# Altium PCB PROC106B.PcbDoc (part 6 of 8)
Units mil, origin at the board's own origin, x right, y up, seen from the top; angles counter-clockwise.
Board outline 4498.18 x 1060.53 mil, 8 copper layers (Top Layer, GND1, Sig1, PWR1, PWR2, Sig2, GND2, Bottom Layer), stack 69.602 mil thick; 439 components, 327 nets, 1548 pads, 843 vias.
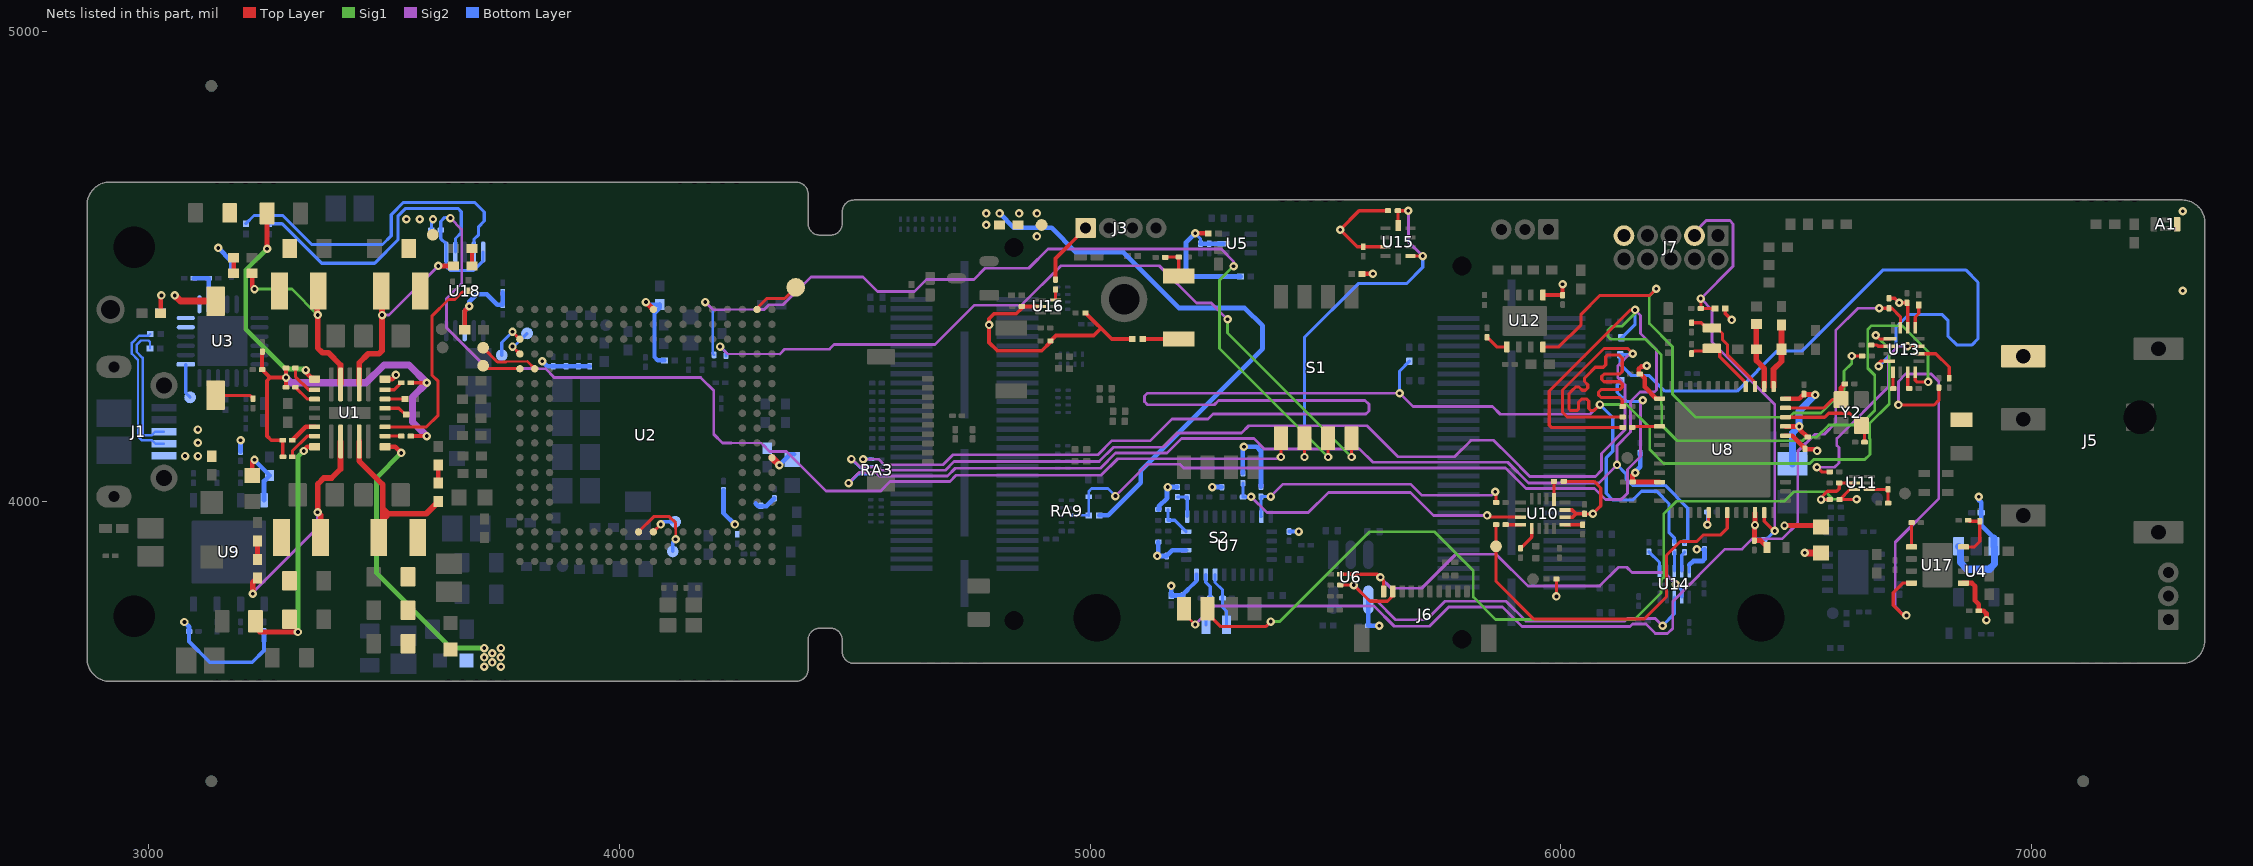
[diagram p12: the nets of this part, all layers, seen from the top]

## Via types
v1: diameter 18, hole 8, Top Layer to Bottom Layer, tented both sides, 804 vias
v2: diameter 19.68, hole 7.87, Top Layer to Bottom Layer, tented both sides, 34 vias
v3: diameter 20, hole 10, Top Layer to Bottom Layer, tented both sides, 3 vias
v4: diameter 18, hole 8, Top Layer to Bottom Layer, 1 vias
v5: diameter 17, hole 7.87, Top Layer to Bottom Layer, 1 vias

## Nets (pads, with @x,y where several pads share a name; then routed paths per layer and width w, separated by ;. In a path a pad name is that pad's centre, name@x,y a point inside that pad or via, vN(x,y) a via of type N, cw(c..) or ccw(c..) an arc to the next point about the centre after c; other vN are vias at no path point) (continued)
NetR101_1: R101.1 U10.13 | length 37.4
  Top Layer w8: U10.13@6008.8,3951.58 R101.1@6046.19,3951.58
NetR105_1: R105.1 R106.1 U11.1 | length 69.1
  Top Layer w6.7: U11.1@6655.07,4026.51 R106.1@6695.04,4026.51 R105.1@6695.04,3997.34
NetR111_1: R111.1 SW3.2 | length 77.2
  Top Layer w8: R111.1@5111.53,4345.88 SW3.2@5188.73,4345.88
NetR112_2: R112.2 U10.8 | length 31.9
  Top Layer w8: R112.2@5882.43,3951.7 5882.56,3951.58 U10.8@5914.31,3951.58
NetR113_2: R113.2 U10.9 | length 51.8
  Top Layer w6.7: R113.2@5914.31,3901.71 5937.93,3925.33 U10.9@5937.93,3943.7
NetR115_2: R115.2 R134.1 U17.8 | length 110.4
  Top Layer w6.7: U17.8@6854.9,3904.39 6878.17,3904.39 6889.78,3916 R134.1@6889.78,3961 ; R115.2@6864.81,3961 6866.81,3959 R134.1@6889.73,3959
NetR116_1: R116.1 U17.1 | length 51.7
  Top Layer w6.7: U17.1@6744.66,3904.39 6744.66,3955.88 R116.1@6744.78,3956
NetR120_1: R120.1 U17.4 | length 925.6
  Top Layer w6.7: v1(6716.81,4206) 6792.81,4206 6802.81,4216 R120.1@6802.81,4242.98 ; v1@6734.81,3758 v1(6733.81,3759) 6727.34,3759 6705.81,3780.52 6705.81,3807.03 6726.4,3827.61 U17.4@6744.66,3827.61
  Sig2 w5.95: v1(6716.81,4206) 6716.81,4256 6732.28,4271.47 6786.63,4271.47 6802.79,4255.32 6802.79,4006.91 6710.22,3914.35 6710.22,3777.92 6729.14,3759 v1(6733.81,3759)
NetR121_1: R121.1 U13.2 | length 39.5
  Top Layer w6.7: R121.1@6659.06,4333.23 6671.58,4333.23 6674.18,4330.63 U13.2@6697.44,4330.63
NetR123_1: R123.1 U12.1 | length 50.3
  Top Layer w6.7: R123.1@5843.14,4349.69 5863.49,4329.34 U12.1@5885.05,4329.34
NetR125_2: R125.2 R129.1 SW3.1 | length 69.8
  Top Layer w5.5: R129.1@5159.27,4519.45 R129.1@5159.85,4520.03 ; SW3.1@5188.33,4480.14 SW3.1@5188.73,4479.74
  Top Layer w6.7: R129.1@5159.85,4520.03 R125.2@5188.33,4520.03 SW3.1@5188.33,4480.14
NetR127_1: R127.1 U12.4 | length 1065
  Top Layer w6.7: U12.4@5961.82,4329.34 5995.51,4329.34 6042.85,4376.69 6042.85,4399.01 6082.33,4438.49 6188.48,4438.49 v1(6202.62,4452.64) ; v1(6617.81,4310) R127.1@6639.79,4310
  Sig1 w5.95: v1(6202.62,4452.64) 6187.81,4437.82 6187.81,4378.93 6237.06,4329.68 6237.06,4228.74 6285.98,4179.83 6485.43,4179.83 6494.43,4188.83 6552.42,4188.83 6601.34,4237.75 6601.34,4277.82 6617.81,4294.3 v1(6617.81,4310)
NetR128_1: R128.1 U13.5 | length 35
  Top Layer w5.5: U13.5@6705.32,4275.51 6705.32,4241.13 R128.1@6705.74,4240.71
NetR131_2: R131.2 U8.29 | length 53.8
  Top Layer w6.7: v1(6311.16,3951.46) 6313.85,3954.16 U8.29@6313.85,3977.25
  Bottom Layer w6.7: v1(6311.16,3951.46) R131.2@6311.16,3978.41
NetR136_1: R136.1 U13.7 | length 35.8
  Top Layer w6.7: U13.7@6736.81,4275.51 6736.81,4244 R136.1@6739.81,4241
NetR139_1: R139.1 U13.10 | length 102.2
  Top Layer w6.7: U13.10@6760.43,4314.88 6796.57,4314.88 6824.81,4286.64 R139.1@6824.81,4263 R139.1@6823.09,4264.72
NetR141_1: R141.1 U13.13 | length 51.3
  Top Layer w6.7: U13.13@6752.56,4370 6752.56,4392.75 6760.03,4400.22 R141.1@6760.03,4418.23
NetR160_1: R160.1 U14.10 | length 42.6
  Bottom Layer w6.7: U14.10@6256.79,3852.92 6256.79,3887.29 R160.1@6262.64,3893.14
NetR161_2: R161.2 U8.16 | length 59.1
  Top Layer w6.7: R161.2@6151.19,4158.46 6153.05,4160.32 U8.16@6209.52,4160.32
NetR166_1: R166.1 U14.9 | length 40.8
  Bottom Layer w6.7: R166.1@6240.62,3893.58 6241.04,3893.15 U14.9@6241.04,3852.92
NetR168_1: R168.1 U14.7 | length 50.9
  Bottom Layer w6.7: R168.1@6186.75,3894.37 6209.55,3871.58 U14.7@6209.55,3852.92
NetR176_1: R176.1 S3.1 | length 82.3
  Top Layer w6.7: S3.1@3142.31,4226.42 3214.75,4226.42 R176.1@3221.71,4219.46
NetR178_2: R178.2 U16.3 | length 22.1
  Top Layer w6.7: U16.3@4926.29,4429.06 R178.2@4926.29,4451.18
NetTP2_1: TP2.1 U2.C10 | length 160.9
  Top Layer w5: v1(4119.47,3920.65) 4119.47,3943.6
  Top Layer w6.7: U2.C10@4040.73,3936.4 4073.08,3968.75 4106.27,3968.75 4119.47,3955.55 4119.47,3943.6
  Bottom Layer w6.7: TP2.1@4113.44,3894.78 4113.44,3914.63 v1(4119.47,3920.65)
NetTP3_1: TP3.1 U2.C9 | length 55
  Top Layer w6.7: U2.C9@4072.23,3936.4 v1(4087.98,3952.15)
  Bottom Layer w6.7: v1(4087.98,3952.15) 4093.63,3957.8 TP3.1@4118.39,3957.8
NetTP6_1: TP6.1 U2.T18 | length 81.8
  Top Layer w6.7: v1(3773.02,4361.6) U2.T18@3788.76,4345.85
  Bottom Layer w6.7: TP6.1@3750.12,4311.58 3750.12,4338.7 v1(3773.02,4361.6)
NetTP7_1: TP7.1 U2.R18 | length 64.8
  Top Layer w6.7: v1(3773.02,4330.1) U2.R18@3788.76,4314.36
  Bottom Layer w6.7: v1(3773.02,4330.1) 3776.1,4330.1 TP7.1@3804,4358
NetTP8_1: TP8.1 U2.P17 | length 129.1
  Top Layer w5: 3759.24,4297.12 3760.35,4298.23 3804.89,4298.23
  Top Layer w6.7: TP8.1@3710.6,4327.53 3741.01,4297.12 3759.24,4297.12 ; 3804.89,4298.23 U2.P17@3820.26,4282.86
NetTP9_1: TP9.1 U2.P18 | length 81.4
  Top Layer w6.7: TP9.1@3710.6,4289.4 3716.29,4283.71 3788.76,4283.71 U2.P18@3788.76,4282.86
NetTP11_1: TP11.1 U2.V2 | length 102.4
  Top Layer w6.7: U2.V2@4291.28,4410.27 4313.18,4432.17 4351.05,4432.17 TP11.1@4374.76,4455.87
NetTP26_1: TP26.1 U3.1 | length 74
  Bottom Layer w6.7: U3.1@3078.98,4292.21 3078.98,4231.25 TP26.1@3088.22,4222.02
nRESET: C37.1 J7.3 R89.1 R91.1 U8.35 | length 976.9
  Top Layer w6.7: v1(6297.21,4431.94) C37.1@6297.21,4411.08 R89.1@6327.17,4411.08 ; U8.35@6431.96,3977.25 6431.96,3958.78 6452.3,3938.44 v1(6454.22,3938.44)
  Sig2 w5.95: J7.3@6283.84,4565.56 6283.84,4572.59 6308.82,4597.58 6358.86,4597.58 6365.86,4590.57 6365.86,4500.59 v1(6297.21,4431.94) 6321.18,4407.97 6321.18,4339.63 6454.22,4206.59 v1(6454.22,3938.44)
  Bottom Layer w6.7: R91.1@6432.17,3920.53 ccw(c6432.17,3930.54) 6439.24,3923.46 v1(6454.22,3938.44)
PGOOD: R31.2 R37.2 R155.2 RA9.7 | length 1608.1
  Sig2 w5.95: v1(5053.68,4012.45) 5121.06,4079.83 5191.42,4079.83 5198.95,4072.3 5882.26,4072.3 5926.17,4028.39 6071.12,4028.39 6094.51,4005.01 6128.26,4005.01 6141.61,4018.37 6141.61,4069.02 6169,4096.41 6169,4210.88 v1(6173.93,4215.81)
  Bottom Layer w5.95: RA9.7@4960.68,3971.89 4996.54,3971.89 R31.2@4997.02,3971.4 R37.2@4997.02,4011.07 4997.02,4022.43 5003.06,4028.46 5037.66,4028.46 v1(5053.68,4012.45)
  Bottom Layer w6.7: R155.2@6128.35,4257.57 6119.84,4249.06 6119.84,4232.32 6138.6,4213.55 6171.67,4213.55 v1(6173.93,4215.81)
PMIC_1V0: C46.2 C49.2 C54.2 L4.1 L12.1 L14.1 U1.1 | length 615.9
  Top Layer w10: U1.1@3502.28,4117.15 3523.82,4117.15 v1(3536.85,4104.13)
  Sig1 w10: v1(3536.85,4104.13) 3484.27,4051.55 3484.27,3848.75 3643.34,3689.68 v1@3717.17,3689.68
  other v1: 3712.91,3649.87 3748.46,3649.87 3730.24,3659.02 3712.91,3669.78 3748.46,3669.78 3730.24,3678.68 3712.91,3689.68 3748.46,3689.68
PMIC_1V2: C45.2 C77.2 L3.1 L13.1 U1.14 | length 457.1
  Top Layer w10: v1(3251.69,4537.83) L13.1@3251.69,4612.77 ; v1(3333.63,4280.07) 3335.17,4278.54 3335.17,4274.43 3345.86,4263.73 3349.8,4263.73 U1.14@3352.68,4260.85
  Sig1 w10: v1(3251.69,4537.83) 3206.5,4492.63 3206.5,4366.82 3290.78,4282.54 3331.16,4282.54 v1(3333.63,4280.07)
PMIC_1V8: C47.2 C48.2 L5.1 L11.1 U1.21 | length 522.1
  Top Layer w10: L11.1@3235.24,3746.61 3235.24,3723.69 v1(3317.18,3723.69) ; v1(3329.65,4108.18) 3329.65,4109.63 3337.17,4117.15 U1.21@3352.68,4117.15
  Sig1 w10: v1(3317.18,3723.69) 3317.18,4095.71 v1(3329.65,4108.18)
PMIC_3V3: C2.1 C3.1 C44.2 C87.1 C88.1 C100.2 C101.2 C102.1 C126.2 FL22.1 L2.1 R2.2 R4.1 R5.1 R7.2 R8.2 R9.1 R19.2 R21.2 R22.2 R23.2 R31.1 R40.1 R43.2 R44.2 R45.2 R59.2 R75.1 S3.2 TP5.1 U1.8 U2.H1 U2.V9 U3.5 U3.6 U3.7 U9.8 U18.8 | length 2613
  Top Layer w10: C3.1@3025.57,4400.66 3025.57,4436.95 v1(3027.25,4438.63) ; C100.2@3220.18,4055.96 3220.18,4084.7 v1(3225,4089.52) ; U1.8@3502.28,4260.85 3517.78,4260.85 3525.31,4268.38 v1(3525.31,4269.83) ; C126.2@3671.69,4365.53 3671.69,4406.19 v1(3681.35,4415.85)
  Top Layer w12: v1(4056.48,4424.59) U2.V9@4072.23,4408.84
  Top Layer w15: v1(3055.45,4438.63) 3067.65,4426.42 S3.2@3142.31,4426.42 ; U2.H1@4324.2,4093.88 v1(4339.94,4078.14)
  Bottom Layer w6.7: R19.2@3600.71,4577.6 3600.71,4597.2 v1(3604.12,4600.61)
  Bottom Layer w8: R44.2@3085.96,3724.94 3085.96,3703.29 3129.87,3659.38 3220.09,3659.38 3245.35,3684.64 3245.35,3704.34
  Bottom Layer w9: C88.1@4085.98,4412.26 4074.41,4400.69 4074.41,4307.92 4081.57,4300.76 R2.2@4095.9,4300.76
  Bottom Layer w10: v1(3076.13,3744.96) 3085.96,3735.12 R44.2@3085.96,3724.94 ; v1(3147.81,4539.54) 3175.78,4511.57 R40.1@3175.78,4498.14 ; R45.2@3195.34,4107.12 v1@3195.34,4127.87 ; v1(3225,4089.52) 3225,4088.24 C101.2@3257.08,4056.16 3245.35,4044.42 U9.8@3245.35,4003.53 ; 3245.35,3704.34 R43.2@3245.35,3724.94 ; U18.8@3671.35,4363.67 3671.35,4405.85 v1(3681.35,4415.85) 3681.35,4425.6 3696.63,4440.88 3718.65,4440.88 3740.67,4418.85 R4.1@3752.34,4418.85 ; R4.1@3752.34,4418.85 R5.1@3752.34,4445.45 ; v1(3836.01,4298.61) 3846.58,4288.04 R21.2@3859.46,4288.04 R22.2@3886.73,4288.04 R23.2@3913.05,4288.04 R59.2@3936.98,4288.04 ; v1(4056.48,4424.59) 4062.15,4418.92 C88.1@4085.98,4418.92 ; C88.1@4085.98,4412.26 C88.1@4085.98,4418.92 ; C88.1@4085.98,4419.22 C88.1@4085.98,4418.92 ; R8.2@4221.23,4024.4 4221.23,3976.38 v1(4245.46,3952.15) ; 4289.86,3996.55 4295.2,3991.21 4295.2,3990.68 4312.51,3990.68 R7.2@4329.25,4007.42 ; v1(4339.94,4078.14) 4359.11,4097.3 4362.93,4101.12 C102.1@4371,4101.12 ; v1(4807.67,4612.77) 4838.24,4582.2 4918.25,4582.2 4969.72,4530.73 5070.03,4530.73 5188.98,4411.77 5328.57,4411.77 5366.24,4374.1 5366.24,4325.35 5107.47,4066.58 5107.47,4040.46 5038.41,3971.4 R31.1@5019.07,3971.4
  other v1: 3195.34,4131.09 4779.42,4588.36 3547.73,4600.61 3575.93,4600.61 4779.42,4612.77
PMIC_CLK: R103.2 U1.3 | length 438.9
  Top Layer w6.7: U1.3@3502.28,4159.48 3590.4,4159.48 3615,4184.08 3615,4256.43 3601.71,4269.72 3601.71,4394.6 3637.2,4430.1 3650.77,4430.1 3666.52,4445.85 3676.68,4445.85 R103.2@3679.35,4448.51
PMIC_EN1: R34.1 U1.7 | length 40.7
  Top Layer w6.7: U1.7@3502.28,4238.22 3521.94,4238.22 R34.1@3536.85,4253.13
PMIC_EN2: R35.1 U1.15 | length 70.7
  Top Layer w6.7: R35.1@3311.94,4284.61 3311.94,4266.28 3340.01,4238.22 U1.15@3352.68,4238.22
PMIC_EN3: R36.1 U1.2 | length 34.6
  Top Layer w6.7: U1.2@3502.28,4139.79 R36.1@3536.85,4139.79
PMIC_NINT: R26.1 U1.19 | length 59.2
  Top Layer w10: R26.1@3305.25,4131.09 3333.63,4159.48 U1.19@3352.68,4159.48
PMIC_NRST: R33.1 U1.20 | length 72.5
  Top Layer w6.7: R33.1@3305.52,4095.96 3305.52,4108.18 3337.13,4139.79 U1.20@3352.68,4139.79
PMIC_PGOOD: R25.1 U1.16 | length 51.1
  Top Layer w6.7: R25.1@3311.94,4243.48 3336.89,4218.53 U1.16@3352.68,4218.53
PMIC_SCL: R32.2 U1.5 | length 48
  Top Layer w6.7: U1.5@3502.28,4198.85 3531.78,4198.85 R32.2@3544.85,4185.79
PMIC_SDA: R28.2 U1.6 | length 42.6
  Top Layer w5.5: R28.2@3544.85,4218.48 R28.2@3544.85,4218.48
  Top Layer w6.7: U1.6@3502.28,4218.53 R28.2@3544.85,4218.48
PMICVIO_3V3: R25.2 R26.2 R33.2 R34.2 R35.2 R36.2 R50.1 R52.2 | length 878.4
  Top Layer w8: R50.1@3241.63,4319.41 3241.09,4318.88 R52.2@3241.09,4281.06 3258.11,4264.05 ; R33.2@3285.49,4095.96 3285.23,4096.22 R26.2@3285.23,4131.09 3260.47,4131.09 3251.36,4140.2 3251.36,4257.3 3258.11,4264.05 ; R25.2@3291.92,4243.48 v1(3291.92,4264.05) ; R35.2@3291.92,4284.61 v1(3291.92,4264.05) ; R36.2@3556.87,4139.79 v1(3590.95,4139.79) ; R34.2@3556.87,4253.13 v1(3590.95,4253.13) ; 3258.11,4264.05 v1(3291.92,4264.05)
  Sig2 w15: v1(3291.92,4264.05) 3302.83,4253.13 3462.07,4253.13 3499.77,4290.83 3553.26,4290.83 v1(3590.95,4253.13) 3560.74,4222.92 3560.74,4170 v1(3590.95,4139.79)
PS0: R77.2 R93.1 U7.6 | length 62.7
  Bottom Layer w6.7: R77.2@5185.3,4010.48 R93.1@5206.3,4010.48 U7.6@5206.3,3968.74
PS1: R78.2 R98.1 U7.5 | length 71.4
  Bottom Layer w6.7: R78.2@5165.52,3984 R98.1@5165.52,3961 5179.58,3961 U7.5@5203.84,3936.75
RE: A1.1
  other v1: 7320.92,4448.37 7320.92,4617.37
RESETN: R94.1 U10.1 | length 39
  Top Layer w6.7: U10.1@5985.18,4004.73 R94.1@5985.18,4043.69
RF_N: C23.1 L6.1 U8.2 | length 139.8
  Top Layer w12: L6.1@6415.18,4377.75 6415.09,4377.66 C23.1@6415.09,4324.42 6415.09,4300.45 6431.96,4283.58 U8.2@6431.96,4244.97
RF_P: C22.2 L1.1 U8.1 | length 137.8
  Top Layer w12: U8.1@6451.65,4244.97 6451.65,4281.73 6468.52,4298.6 L1.1@6468.52,4324.41 C22.2@6468.51,4375.79
SENS_INT: R18.2 R100.1 U7.14 | length 589
  Top Layer w6.7: v1(5860.53,4021.62) 5862.41,4019.74 R100.1@5862.41,3998.82
  Sig2 w5.95: v1(5383.46,4011.31) 5409.9,4037.75 5680.81,4037.75 5704.56,4014 5852.9,4014 v1(5860.53,4021.62)
  Bottom Layer w5.5: R18.2@5362.78,4011.28 R18.2@5363.28,4010.78
  Bottom Layer w6.7: U7.14@5363.78,3968.74 5362.78,3969.74 R18.2@5362.78,4011.28 v1@5383.43,4011.28
SENS_NRST: R81.2 R97.2 U10.7 | length 677
  Top Layer w6.7: v1(5843.14,3971.4) 5846.67,3967.88 5913.76,3967.88 U10.7@5914.31,3967.32
  Sig2 w5.95: v1(5341.84,4011.07) 5375.53,3977.37 5463.23,3977.37 5506.2,4020.34 5680.27,4020.34 5729.21,3971.4 v1(5843.14,3971.4)
  Bottom Layer w5.5: v1(5341.84,4011.07) 5342.12,4010.78 5345.19,4010.78 v1@5344.89,4010.48
  Bottom Layer w6.7: R81.2@5324.41,4039.9 5324.41,4010.82 R97.2@5324.75,4010.48 5341.25,4010.48 v1(5341.84,4011.07)
SOP0: R159.2 S1.3 | length 1902
  Top Layer w6.7: v1(5505.37,4095.46) S1.3@5505.37,4135.46
  Sig1 w5.95: v1(5304.72,4500.76) 5274.9,4470.94 5274.9,4325.94 v1(5505.37,4095.46)
  Sig2 w4.5: 4223.14,4408.84 4293.24,4408.84
  Sig2 w5.95: v1(4182.46,4424.59) 4198.79,4408.27 4222.56,4408.27 ; 4293.24,4408.84 4307.81,4408.84 4317.84,4418.87 4347.94,4418.87 4406.85,4477.78 4517.43,4477.78 4548.43,4446.78 4626.58,4446.78 4652.24,4472.44 4753.09,4472.44 4776.93,4496.28 4869.62,4496.28 4910.57,4537.24 5278.49,4537.24 5304.72,4511 v1(5304.72,4500.76)
  Bottom Layer w5: v1(4182.46,4424.59) 4198.53,4408.53 4198.26,4408.26 4198.26,4315.13 R159.2@4201.23,4312.16
SOP1: R171.2 S1.4 | length 1675.6
  Top Layer w6.7: v1(5555.37,4095.46) S1.4@5555.37,4135.46
  Sig1 w5.95: v1(5292.01,4387.88) 5292.01,4358.83 v1(5555.37,4095.46)
  Sig2 w4.5: v1(4213.96,4330.1) 4229.71,4314.36 4341.35,4314.36
  Sig2 w5.95: 4341.35,4314.36 4351.45,4324.45 4446.13,4324.45 4456.22,4334.55 4670.75,4334.55 4754.18,4417.98 4854.38,4417.98 4937.96,4501.55 5146.92,4501.55 5225.73,4422.74 5257.14,4422.74 v1(5292.01,4387.88)
  Bottom Layer w6.7: v1(4213.96,4330.1) 4226.45,4317.61 R171.2@4226.45,4310.42
SPI/CAN_MUX_CTRL: R118.1 S2.1 U13.15 | length 2179.9
  Top Layer w5.5: S2.1@5199.37,3773.46 5194.37,3768.46 v1(5223.17,3739.66)
  Top Layer w6.7: v1(6676.29,4411.48) R118.1@6696.81,4411.48 6703.33,4411.48 6721.06,4393.75 U13.15@6721.06,4370
  Sig2 w5.95: v1(5223.17,3739.66) 5262.38,3778.87 5602.98,3778.87 5646.06,3735.8 5720.58,3735.8 5761.88,3777.1 5875.72,3777.1 5917.56,3735.26 6146.44,3735.26 6151.79,3740.61 6180.59,3740.61 6200.56,3720.65 6226.68,3720.65 6237.45,3731.42 6237.45,3788.77 6348.32,3899.63 6384.69,3899.63 6407.03,3921.97 6470.34,3921.97 6503.17,3954.8 6503.17,4107.57 6539.43,4143.83 6559.48,4143.83 6583.65,4168 6583.65,4364.13 6631.01,4411.48 v1(6676.29,4411.48)
SPI_CLK1: R151.2 R160.2 R161.1 RA3.2 U13.8 | length 4325
  Top Layer w6.7: R161.1@6131.17,4158.46 5979.38,4158.46 5975.27,4162.58 5975.27,4235.61 6147.42,4407.76 v1(6157.61,4407.76) ; U13.8@6752.56,4275.51 6752.56,4258.25 6755.81,4255 v1(6779.81,4255)
  Sig1 w5.95: v1(6157.61,4407.76) 6157.61,4400.83 6130.04,4373.26 6108.23,4373.26 6099.8,4364.84 6099.8,4351.52 6105.77,4345.55 6179.95,4345.55 6213.27,4312.23 6213.27,4206.95 6214.25,4205.98 6214.25,4162.84 6247.09,4130 6513.57,4130 6520.9,4137.33 6543.07,4137.33 6569.11,4163.38 6635.6,4163.38 6666.75,4194.52 6666.75,4269.04 6651.85,4283.94 6651.85,4366.63 6659.6,4374.38 6724.74,4374.38 6779.81,4319.31 v1(6779.81,4255)
  Sig2 w5.95: v1(4486.92,4040) 4509.41,4062.49 4544.84,4062.49 4552.13,4055.2 4697.06,4055.2 4713.43,4071.58 5021.63,4071.58 5053.67,4103.62 5163.24,4103.62 5194.28,4134.66 5347.84,4134.66 5369.78,4112.71 5572.06,4112.71 5600.59,4084.19 5887.19,4084.19 5931.09,4040.29 6080.55,4040.29 6118.88,4078.61 v1(6119.14,4078.61) 6119.14,4119.33 6148.08,4148.27 6148.08,4213.05 6168.31,4233.27 6198.76,4233.27 6203.07,4237.58 6203.07,4323.68 6169.29,4357.46 6169.29,4396.08 v1(6157.61,4407.76)
  Bottom Layer w6.7: v1(4486.92,4040) 4506.08,4059.16 4531.17,4059.16 4531.36,4059.36 RA3.2@4535.95,4059.36 ; v1(6119.14,4078.61) 6138,4059.75 6138,4049.46 6152.39,4035.07 6221.28,4035.07 6269.58,3986.76 6269.58,3920.11 R160.2@6262.64,3913.17 ; R151.2@6128.21,4348.48 6129,4348.48 6157.61,4377.09 v1(6157.61,4407.76)
SPI_CLK1_T: J6.1 R185.1 U14.2 | length 879.9
  Top Layer w6.7: R185.1@5531.01,3846.49 5609.9,3846.49 v1(5616.61,3839.78) 5623.32,3833.07 J6.1@5623.32,3810.06
  Sig2 w5.95: v1(5616.61,3839.78) 5639.62,3816.77 5704.53,3816.77 5776.5,3888.73 5862.44,3888.73 5929.9,3821.27 6082.33,3821.27 6122.39,3861.33 6139.78,3861.33 6151.11,3850 6219.39,3850 v1(6244.03,3825.36)
  Bottom Layer w6.7: v1(6244.03,3825.36) 6256.79,3812.6 U14.2@6256.79,3797.8
SPI_CS1: R74.1 U13.11 | length 429.1
  Top Layer w5.5: v1(6736.18,4330.63) U13.11@6760.43,4330.63
  Top Layer w6.7: v1(6543.91,4073.7) 6544.18,4073.7 6553.96,4063.92 R74.1@6571.09,4063.92
  Sig2 w5.95: v1(6543.91,4073.7) 6581.52,4073.7 6590.67,4082.85 6590.67,4115.3 6586.1,4119.86 6586.1,4135.05 6695.76,4244.71 6695.76,4309.35 6717.05,4330.63 v1(6736.18,4330.63)
SPI_CS_MUX_CTRL: R104.1 S2.2 U11.6 | length 1884.9
  Top Layer w6.7: S2.2@5249.37,3773.46 5249.37,3763.6 5277.84,3735.13 5372.76,3735.13 v1(5383.46,3745.84) ; U11.6@6623.57,4026.51 6613.5,4026.51 R104.1@6591.99,4005 6622.99,4005 6623.57,4005.59 v1(6628.05,4005.59)
  Sig1 w5.95: v1(5383.46,3745.84) 5402.84,3745.84 5593.62,3936.62 5731.27,3936.62 5813.97,3853.92 5813.97,3797.67 5861.45,3750.19 6156.27,3750.19 6212.51,3806.42 6212.51,3833.75 6218.27,3839.5 6218.27,3974.42 6245.38,4001.54 6474.92,4001.54 6495.07,4021.7 6561.94,4021.7 6578.05,4005.59 v1(6628.05,4005.59)
SPI_MISO1: R87.1 R154.1 R166.2 RA3.4 U13.1 | length 4756.8
  Top Layer w6.7: 6063.42,4193.97 6069.81,4193.97 v1(6082.75,4206.91) ; 6063.42,4194.34 6059.2,4198.55 6059.2,4214.4 6055.19,4218.42 6043.75,4218.42 6037.53,4212.2 6037.53,4197.99 6033.52,4193.97 6020.58,4193.97 6017.07,4197.49 6017.07,4229.93 6022.97,4235.83 6031.24,4244.1 6038.32,4244.1 6045.16,4237.27 6052.24,4237.27 6056.97,4241.99 6056.97,4249.07 6050.13,4255.91 6050.13,4262.99 6055.47,4268.33 6073.09,4285.95 6089.86,4285.95 6095.36,4291.45 6095.36,4308.22 6099.58,4312.44 6123.13,4312.44 6130.34,4305.22 6130.34,4276.86 6125.33,4271.85 6091.87,4271.85 6086.86,4266.84 6086.86,4260.16 6091.87,4255.15 6125.33,4255.15 6130.34,4250.14 6130.34,4243.46 6125.33,4238.45 6085.16,4238.45 6080.15,4233.44 6080.15,4226.76 6085.16,4221.75 6125.33,4221.75 6130.34,4216.74 6130.34,4203.29 R87.1@6131.17,4202.46 ; v1(6668.81,4354) 6676.43,4346.38 U13.1@6699.41,4346.38
  Sig1 w5.95: v1(6082.75,4206.91) 6139.6,4206.91 6188.75,4157.76 6188.75,4110.98 6218.01,4081.72 6528.63,4081.72 6537.08,4090.17 6645.43,4090.17 6656.26,4101 6656.26,4133.46 6655.28,4134.44 6655.28,4166.24 6697.59,4208.55 6697.59,4294.1 6697.45,4294.25 6697.45,4317.75 6697.59,4317.9 6697.59,4325.22 v1(6668.81,4354)
  Sig2 w5.95: v1(4517.69,4090.85) 4550.12,4090.85 4561.98,4078.99 4687.2,4078.99 4708.33,4100.11 5016.53,4100.11 5046.57,4130.16 5127.86,4130.16 5174.04,4176.34 5250.52,4176.34 5260.82,4186.64 5585.45,4186.64 5592.29,4193.48 5592.29,4207.43 5584.11,4215.6 5272.9,4215.6 5263.66,4206.36 5122.15,4206.36 5115.56,4212.95 5115.56,4224.91 5121.64,4230.99 v1(5657.37,4230.99) 5685.71,4202.64 5854.79,4202.64 5871.27,4186.17 6062.01,4186.17 v1(6082.75,4206.91)
  Bottom Layer w6.7: v1(4517.69,4090.85) RA3.4@4535.95,4090.85 ; v1(5657.37,4230.99) 5657.37,4278.16 R154.1@5678.13,4298.93 ; v1(6082.75,4206.91) 6110.19,4179.47 6110.19,4107.35 6096.33,4093.49 6096.33,4018.14 6110.26,4004.22 6152.95,4004.22 6171.26,4022.52 6203.4,4022.52 6229.38,3996.55 6229.38,3935.32 6240.62,3924.08 R166.2@6240.62,3913.6
SPI_MISO1_T: J6.2 R184.1 U14.3 | length 939.9
  Top Layer w6.7: R184.1@5531.18,3823.28 v1(5560.18,3823.28) 5594.55,3788.91 5631.55,3788.91 5643.01,3800.37 J6.2@5643.01,3810.06
  Sig2 w5.95: v1(5560.18,3823.28) 5592.7,3790.77 5607.91,3790.77 5648.88,3749.8 5714.78,3749.8 5753.98,3789 5883.62,3789 5925.46,3747.16 6135.69,3747.16 6141.05,3752.51 6200.45,3752.51 v1(6215.84,3737.12)
  Bottom Layer w6.7: v1(6215.84,3737.12) 6241.04,3762.32 U14.3@6241.04,3797.8
SPI_MOSI1: R86.1 R153.2 RA3.3 U13.4 | length 3868.3
  Top Layer w6.7: R86.1@6131.02,4180.57 6013.04,4180.57 6003.51,4190.11 6003.51,4237.7 6091.65,4325.84 6141.89,4325.84 v1(6152.82,4314.92) ; v1(6674.81,4288) 6674.81,4294.5 6679.45,4299.13 U13.4@6697.44,4299.13
  Sig2 w5.95: v1(4493,4091) 4494.25,4091 4510.87,4074.38 4549.77,4074.38 4557.05,4067.1 4692.13,4067.1 4711.01,4085.97 5019.2,4085.97 5049.49,4116.26 5154.64,4116.26 5184.93,4146.55 5321.51,4146.55 5336.83,4161.88 5588,4161.88 5653.79,4096.09 5774.21,4096.09 5808.94,4130.81 5857.47,4130.81 5891.66,4096.63 5891.66,4096.54 5933.94,4054.26 6073.1,4054.26 6086.14,4067.3 6086.14,4103.14 6136.19,4153.2 6136.19,4248.75 6120.66,4264.28 6120.66,4289.02 6146.56,4314.92 v1(6152.82,4314.92)